# Altium PCB XuperMousePCB.PcbDoc (part 1 of 3) (continued)
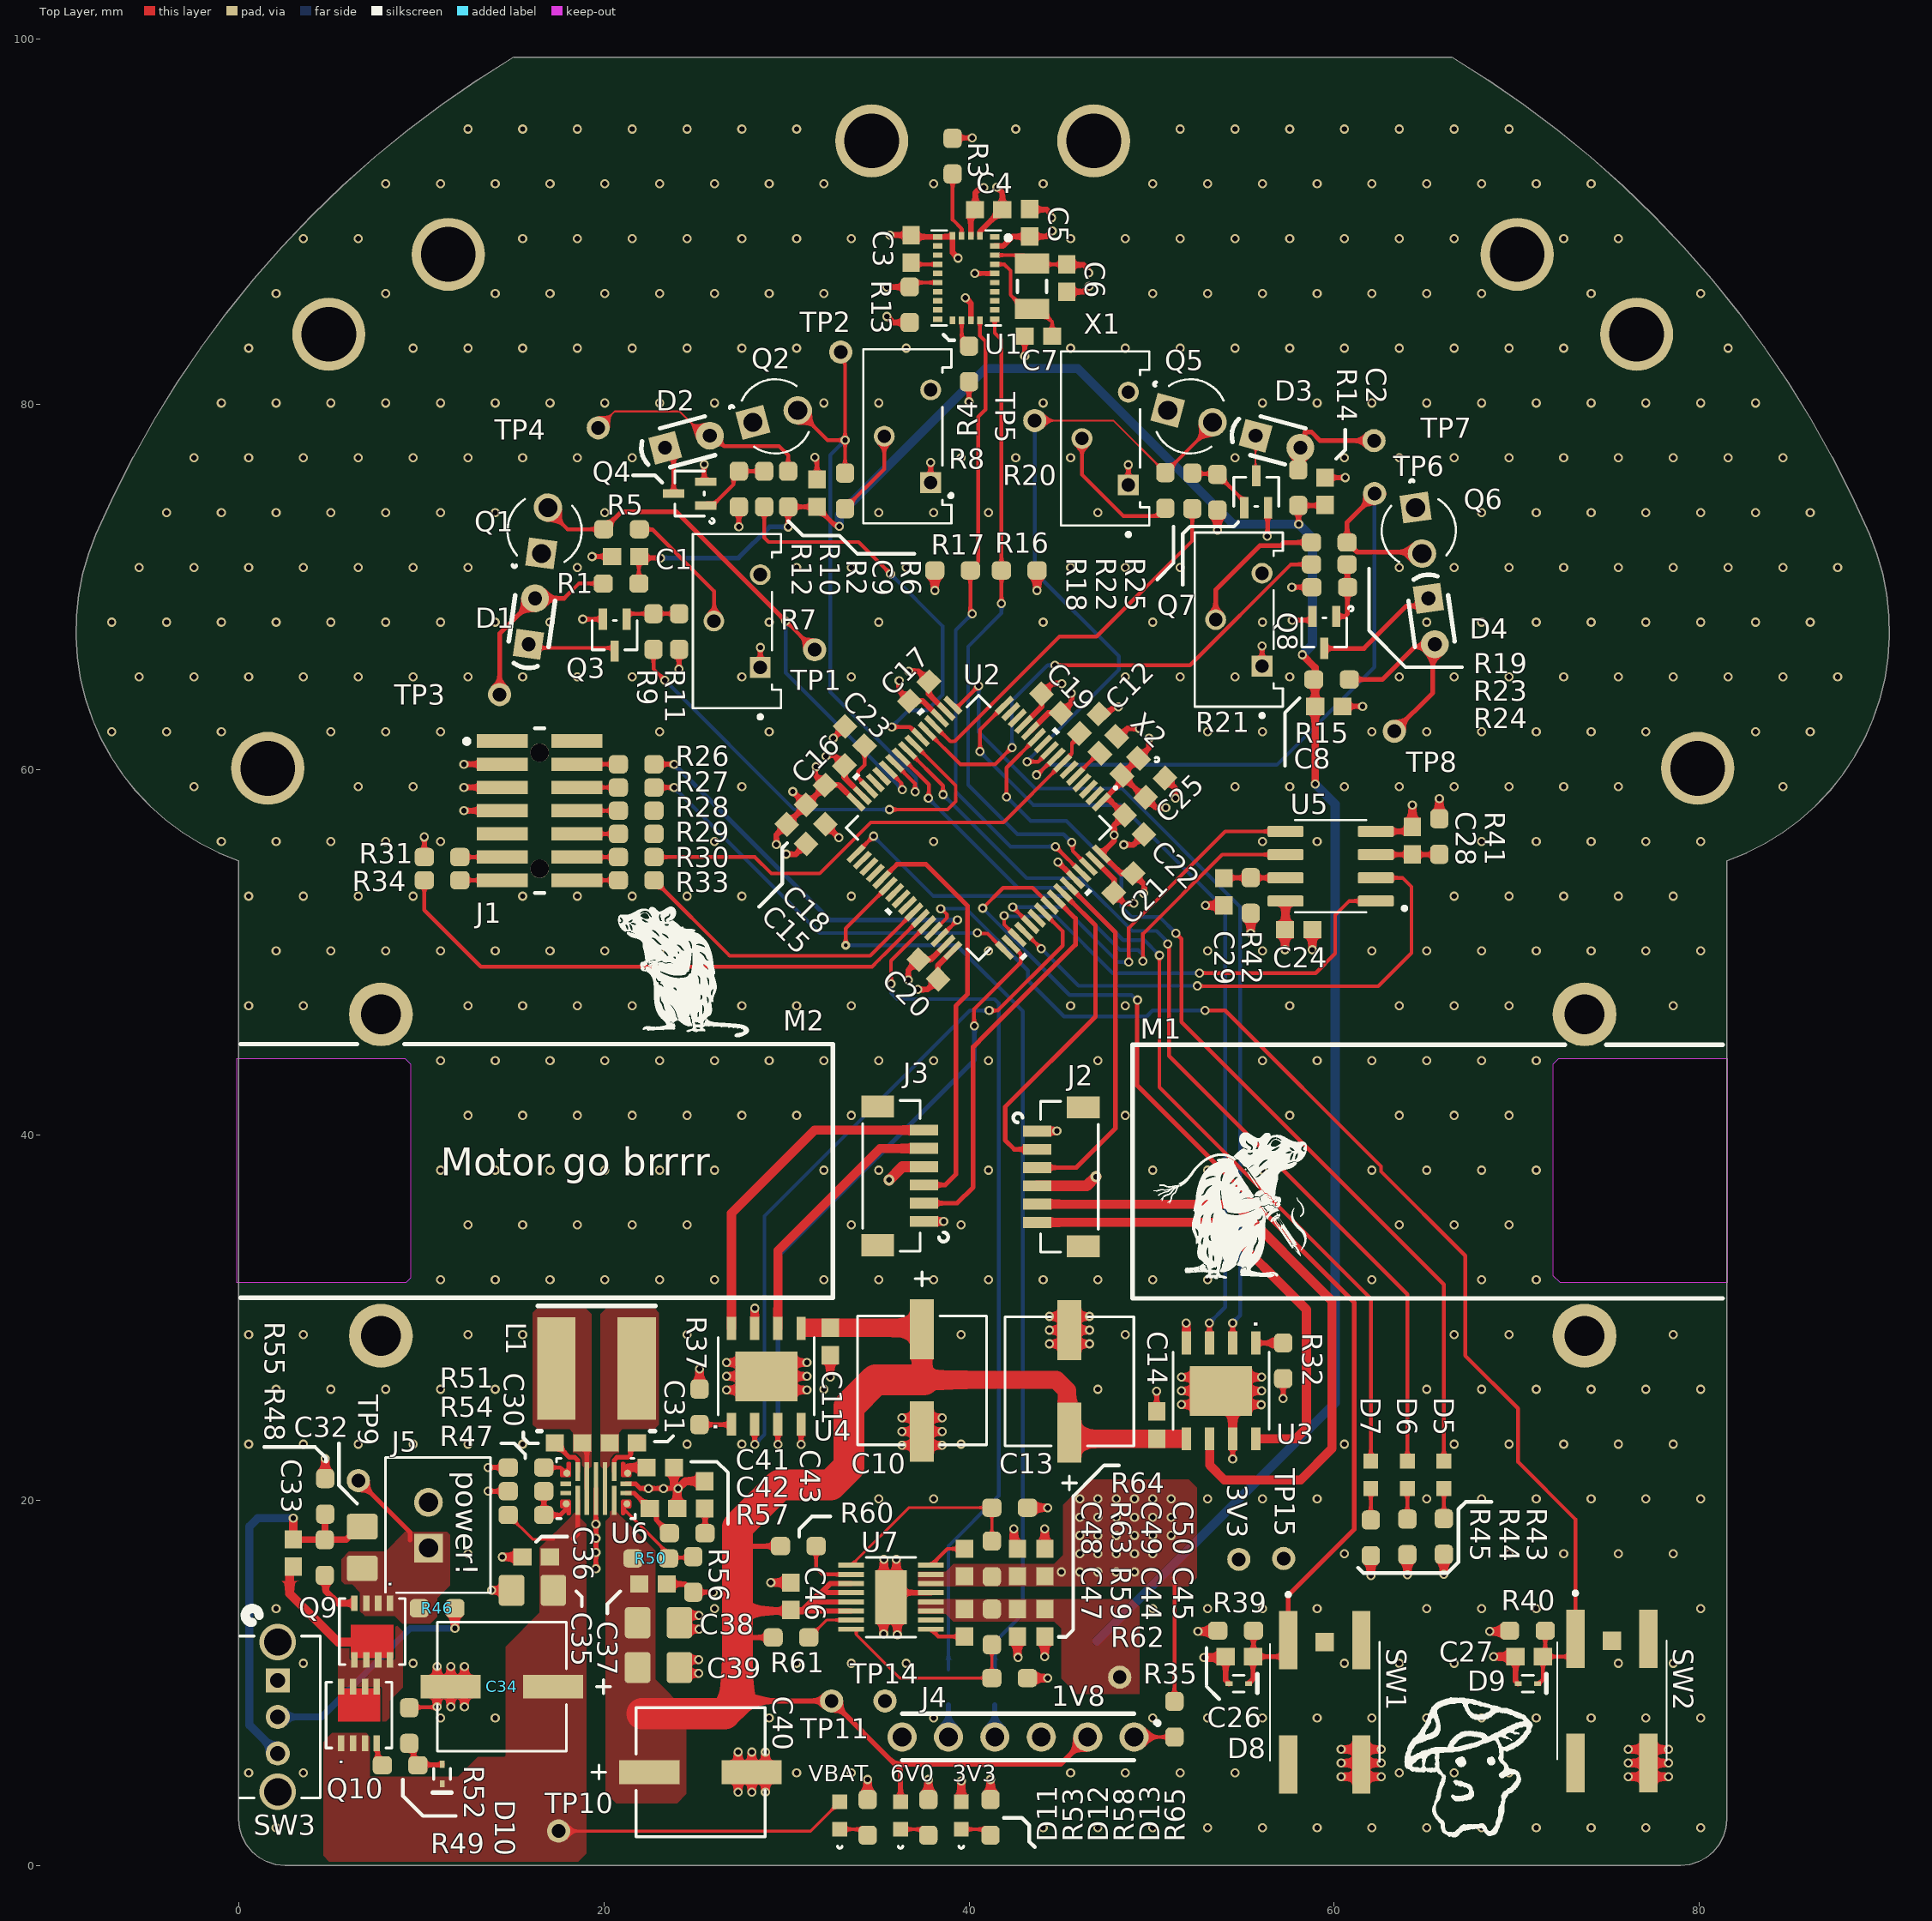
[diagram p0: Top Layer view]
## Part data (continued)
C42: library part CAP, "Ceramic Capacitor, Multilayer, Ceramic, 250V, 5% +Tol, 5% -Tol, C0G, 30ppm/Cel TC, 5.6e-05uF, Surface Mount, 0603", Case/Package=0603, Dielectric Material=Ceramic, Manufacturer=Knowles, Manufacturer Part Number=QSCP251Q560J1GV001T, Max Operating Temperature=125°C, Min Operating Temperature=-55°C, Supplier Part Number 1=712-QSCP251Q560J1GV001TCT-ND, Voltage Rating (DC)=250V, Category="Ceramic Capacitors", ComponentLink1Description=https://datasheet.octopart.com:443/QSCP251Q560J1GV001T-Johanson-datasheet-187816102.pdf?src-supplier=IHS, ComponentLink1URL=https://datasheet.octopart.com:443/QSCP251Q560J1GV001T-Johanson-datasheet-187816102.pdf?src-supplier=IHS, Country of Origin=USA, Export Control Classification Number (ECCN) Code=EAR99, Harmonized Tariff Schedule (HTS) Code=8532.24.00.20, Height=760µm, Introduction Date=2022-02-04, Length=1.57mm, Lifecycle Status=Production, Mounting Technology="Surface Mount", Number of Terminals=2, Pricing="1=0.28, 10=0.162, 50=0.1176, 100=0.1038, 500=0.08066, 1000=0.07352 (USD)", REACH SVHC=Yes, RoHS=Compliant, Stock=30631, Supplier 1=DigiKey, Width=810µm
C43: library part CAP, "0603 C 15NF Ceramic Multilayer Capacitor, 25 V, +125DEGC, C0G Dielectric, +/-5%", Case Code (Imperial)=0603, Case Code (Metric)=1608, Dielectric=C0G, Dielectric Material=Ceramic, Manufacturer="Yageo Group", Manufacturer Part Number=C0603C153J3GACTU, Max Operating Temperature=125°C, Min Operating Temperature=-55°C, Temperature Coefficient=30ppm/°C, Tolerance=5%, Voltage=25V, Case/Package=0603, Category="Ceramic Capacitors", China RoHS=Compliant, ComponentLink1Description=https://datasheet.octopart.com:443/C0603C153J3GACTU-KEMET-datasheet-178132257.pdf?src-supplier=IHS, ComponentLink1URL=https://datasheet.octopart.com:443/C0603C153J3GACTU-KEMET-datasheet-178132257.pdf?src-supplier=IHS, ComponentLink2Description=https://datasheet.octopart.com:443/C0603C153J3GAC7867-KEMET-datasheet-10540709.pdf?src-supplier=IHS, ComponentLink2URL=https://datasheet.octopart.com:443/C0603C153J3GAC7867-KEMET-datasheet-10540709.pdf?src-supplier=IHS, ComponentLink3Description=https://datasheet.octopart.com:443/C0603C153J3GACTU-KEMET-datasheet-137357764.pdf?src-supplier=Upverter, ComponentLink3URL=https://datasheet.octopart.com:443/C0603C153J3GACTU-KEMET-datasheet-137357764.pdf?src-supplier=Upverter, ComponentLink4Description=https://datasheet.octopart.com:443/C0603C153J3GACTU-KEMET-datasheet-68331921.pdf?src-supplier=Farnell, ComponentLink4URL=https://datasheet.octopart.com:443/C0603C153J3GACTU-KEMET-datasheet-68331921.pdf?src-supplier=Farnell, ComponentLink5Description=https://datasheet.octopart.com:443/C0603C153J3GACTU-KEMET-datasheet-102648314.pdf?src-supplier=Farnell, ComponentLink5URL=https://datasheet.octopart.com:443/C0603C153J3GACTU-KEMET-datasheet-102648314.pdf?src-supplier=Farnell, ComponentLink6Description=https://datasheet.octopart.com:443/C0603C153J3GACTU-Kemet-datasheet-5308203.pdf?src-supplier=Farnell, ComponentLink6URL=https://datasheet.octopart.com:443/C0603C153J3GACTU-Kemet-datasheet-5308203.pdf?src-supplier=Farnell, ComponentLink7Description=https://datasheet.octopart.com:443/C0603C153J3GACTU-KEMET-datasheet-176289261.pdf?src-supplier=element14+APAC, ComponentLink7URL=https://datasheet.octopart.com:443/C0603C153J3GACTU-KEMET-datasheet-176289261.pdf?src-supplier=element14+APAC, ComponentLink8Description=https://datasheet.octopart.com:443/C0603C153J3GACTU-KEMET-datasheet-178087916.pdf?src-supplier=element14+APAC, ComponentLink8URL=https://datasheet.octopart.com:443/C0603C153J3GACTU-KEMET-datasheet-178087916.pdf?src-supplier=element14+APAC, ComponentLink9Description=https://datasheet.octopart.com:443/C0603C153J3GACTU-Kemet-datasheet-66093294.pdf?src-supplier=element14+APAC, ComponentLink9URL=https://datasheet.octopart.com:443/C0603C153J3GACTU-Kemet-datasheet-66093294.pdf?src-supplier=element14+APAC, ComponentLink10Description=https://datasheet.octopart.com:443/C0603C153J3GACTU-Kemet-datasheet-66634713.pdf?src-supplier=element14+APAC, ComponentLink10URL=https://datasheet.octopart.com:443/C0603C153J3GACTU-Kemet-datasheet-66634713.pdf?src-supplier=element14+APAC, ComponentLink11Description=https://datasheet.octopart.com:443/C0603C153J3GACTU-KEMET-datasheet-157246123.pdf?src-supplier=Electro+Sonic, ComponentLink11URL=https://datasheet.octopart.com:443/C0603C153J3GACTU-KEMET-datasheet-157246123.pdf?src-supplier=Electro+Sonic, ComponentLink12Description=https://datasheet.octopart.com:443/C0603C153J3GAC7867-KEMET-datasheet-188512010.pdf?src-supplier=ODG+(Origin+Data+Global), ComponentLink12URL=https://datasheet.octopart.com:443/C0603C153J3GAC7867-KEMET-datasheet-188512010.pdf?src-supplier=ODG+(Origin+Data+Global), ComponentLink13Description=https://datasheet.octopart.com:443/C0603C153J3GACTU-KEMET-datasheet-176142193.pdf?src-supplier=Newark, ComponentLink13URL=https://datasheet.octopart.com:443/C0603C153J3GACTU-KEMET-datasheet-176142193.pdf?src-supplier=Newark, ComponentLink14Description=https://datasheet.octopart.com:443/C0603C153J3GACTU-KEMET-datasheet-101575703.pdf?src-supplier=Newark, ComponentLink14URL=https://datasheet.octopart.com:443/C0603C153J3GACTU-KEMET-datasheet-101575703.pdf?src-supplier=Newark, ComponentLink15Description=https://datasheet.octopart.com:443/C0603C153J3GACTU-Kemet-datasheet-62307647.pdf?src-supplier=Newark, ComponentLink15URL=https://datasheet.octopart.com:443/C0603C153J3GACTU-Kemet-datasheet-62307647.pdf?src-supplier=Newark, ComponentLink16Description=https://datasheet.octopart.com:443/C0603C153J3GACTU-KEMET-datasheet-193515620.pdf?src-supplier=Newark, ComponentLink16URL=https://datasheet.octopart.com:443/C0603C153J3GACTU-KEMET-datasheet-193515620.pdf?src-supplier=Newark, ComponentLink17Description=https://datasheet.octopart.com:443/C0603C153J3GACTU-Kemet-datasheet-67830794.pdf?src-supplier=TME, ComponentLink17URL=https://datasheet.octopart.com:443/C0603C153J3GACTU-Kemet-datasheet-67830794.pdf?src-supplier=TME, ComponentLink18Description=https://datasheet.octopart.com/C0603C153J3GACTU-KEMET-datasheet-84169754.pdf, ComponentLink18URL=https://datasheet.octopart.com/C0603C153J3GACTU-KEMET-datasheet-84169754.pdf, ComponentLink19Description=https://datasheet.octopart.com:443/C0603C153J3GACTU-Kemet-datasheet-60243840.pdf?src-supplier=RS+(Formerly+Allied+Electronics), ComponentLink19URL=https://datasheet.octopart.com:443/C0603C153J3GACTU-Kemet-datasheet-60243840.pdf?src-supplier=RS+(Formerly+Allied+Electronics), ComponentLink20Description=http://sigma.octopart.com:80/conflict_mineral_statement/Yageo-company-3.pdf?src-supplier=Compliance+Statements, ComponentLink20URL=http://sigma.octopart.com:80/conflict_mineral_statement/Yageo-company-3.pdf?src-supplier=Compliance+Statements, ComponentLink21Description=http://sigma.octopart.com:80/rohs_statement/Yageo-company-2.pdf?src-supplier=Compliance+Statements, ComponentLink21URL=http://sigma.octopart.com:80/rohs_statement/Yageo-company-2.pdf?src-supplier=Compliance+Statements, Contact Plating=Tin, Country of Origin=Mexico, Depth=800µm, Dissipation Factor=0.1%, Export Control Classification Number (ECCN) Code=EAR99, Harmonized Tariff Schedule (HTS) Code=8532.24.00.20, Height=800µm, Introduction Date=2008-06-06, Lead Free="Lead Free", Length=1.6mm, Lifecycle Status=Production, Material=Ceramic, Mounting Technology="Surface Mount", Number of Terminals=2, Packaging="Cut Tape", Pins=2, Pricing="4000=0.087, 8000=0.084 (USD)", REACH SVHC=Yes, RoHS=Compliant, Schedule B="8532240020, 8532240020|8532240020, 8532240020|8532240020|8532240020, 8532240020|8532240020|8532240020|8532240020", Stock=31000, Supplier 1=Newark, Supplier Part Number 1=C0603C153J3GACTU, Termination=SMD/SMT, Thickness=863.6µm, Voltage Rating=25V, Voltage Rating (DC)=25V, Width=800µm
C47 C48: library part CAP, "Multilayer Ceramic Capacitors Mlcc - Smd/Smt 50V 0.01Uf X7R 0603 10%", Case Code (Imperial)=0603, Dielectric=X7R, Dielectric Material=Ceramic, Manufacturer="Yageo Group", Manufacturer Part Number=C0603C103K5RACTU, Max Operating Temperature=125°C, Min Operating Temperature=-55°C, Temperature Coefficient=30ppm/°C, Tolerance=10%, Voltage=50V, Case/Package=0603, Category="Ceramic Capacitors", China RoHS=Compliant, ComponentLink1Description=https://datasheet.octopart.com:443/C0603C103K5RACTU-KEMET-datasheet-178445679.pdf?src-supplier=Farnell, ComponentLink1URL=https://datasheet.octopart.com:443/C0603C103K5RACTU-KEMET-datasheet-178445679.pdf?src-supplier=Farnell, ComponentLink2Description=https://datasheet.octopart.com:443/C0603C103K5RACTU-KEMET-datasheet-137357759.pdf?src-supplier=Farnell, ComponentLink2URL=https://datasheet.octopart.com:443/C0603C103K5RACTU-KEMET-datasheet-137357759.pdf?src-supplier=Farnell, ComponentLink3Description=https://datasheet.octopart.com:443/C0603C103K5RACTU-KEMET-datasheet-149521831.pdf?src-supplier=Farnell, ComponentLink3URL=https://datasheet.octopart.com:443/C0603C103K5RACTU-KEMET-datasheet-149521831.pdf?src-supplier=Farnell, ComponentLink4Description=https://datasheet.octopart.com:443/C0603C103K5RAC-TU-Kemet-datasheet-12608295.pdf?src-supplier=Farnell, ComponentLink4URL=https://datasheet.octopart.com:443/C0603C103K5RAC-TU-Kemet-datasheet-12608295.pdf?src-supplier=Farnell, ComponentLink5Description=https://datasheet.octopart.com:443/C0603C103K5RAC-TU-Kemet-datasheet-11992184.pdf?src-supplier=Farnell, ComponentLink5URL=https://datasheet.octopart.com:443/C0603C103K5RAC-TU-Kemet-datasheet-11992184.pdf?src-supplier=Farnell, ComponentLink6Description=https://datasheet.octopart.com:443/C0603C103K5RAC-TU-Kemet-datasheet-10942409.pdf?src-supplier=Farnell, ComponentLink6URL=https://datasheet.octopart.com:443/C0603C103K5RAC-TU-Kemet-datasheet-10942409.pdf?src-supplier=Farnell, ComponentLink7Description=https://datasheet.octopart.com:443/C0603C103K5RAC-TU-Kemet-datasheet-10404442.pdf?src-supplier=Farnell, ComponentLink7URL=https://datasheet.octopart.com:443/C0603C103K5RAC-TU-Kemet-datasheet-10404442.pdf?src-supplier=Farnell, ComponentLink8Description=https://datasheet.octopart.com:443/C0603C103K5RACTU-KEMET-datasheet-101575646.pdf?src-supplier=Farnell, ComponentLink8URL=https://datasheet.octopart.com:443/C0603C103K5RACTU-KEMET-datasheet-101575646.pdf?src-supplier=Farnell, ComponentLink9Description=https://datasheet.octopart.com:443/C0603C103K5RACTU.-Kemet-datasheet-41232427.pdf?src-supplier=Farnell, ComponentLink9URL=https://datasheet.octopart.com:443/C0603C103K5RACTU.-Kemet-datasheet-41232427.pdf?src-supplier=Farnell, ComponentLink10Description=https://datasheet.octopart.com:443/C0603C103K5RACTU-KEMET-datasheet-176142155.pdf?src-supplier=Farnell, ComponentLink10URL=https://datasheet.octopart.com:443/C0603C103K5RACTU-KEMET-datasheet-176142155.pdf?src-supplier=Farnell, ComponentLink11Description=https://datasheet.octopart.com:443/C0603C103K5RAC-TU-Kemet-datasheet-7833651.pdf?src-supplier=Farnell, ComponentLink11URL=https://datasheet.octopart.com:443/C0603C103K5RAC-TU-Kemet-datasheet-7833651.pdf?src-supplier=Farnell, ComponentLink12Description=https://datasheet.octopart.com:443/C0603C103K5RAC-TU-Kemet-datasheet-7601896.pdf?src-supplier=Farnell, ComponentLink12URL=https://datasheet.octopart.com:443/C0603C103K5RAC-TU-Kemet-datasheet-7601896.pdf?src-supplier=Farnell, ComponentLink13Description=https://datasheet.octopart.com:443/C0603C103K5RAC-TU-Kemet-datasheet-5316294.pdf?src-supplier=Farnell, ComponentLink13URL=https://datasheet.octopart.com:443/C0603C103K5RAC-TU-Kemet-datasheet-5316294.pdf?src-supplier=Farnell, ComponentLink14Description=https://datasheet.octopart.com:443/C0603C103K5RAC-TU-Kemet-datasheet-5314837.pdf?src-supplier=Farnell, ComponentLink14URL=https://datasheet.octopart.com:443/C0603C103K5RAC-TU-Kemet-datasheet-5314837.pdf?src-supplier=Farnell, ComponentLink15Description=https://datasheet.octopart.com:443/C0603C103K5RAC-TU-Kemet-datasheet-8092359.pdf?src-supplier=Farnell, ComponentLink15URL=https://datasheet.octopart.com:443/C0603C103K5RAC-TU-Kemet-datasheet-8092359.pdf?src-supplier=Farnell, ComponentLink16Description=https://datasheet.octopart.com:443/C0603C103K5RACTU-Kemet-datasheet-5314449.pdf?src-supplier=Farnell, ComponentLink16URL=https://datasheet.octopart.com:443/C0603C103K5RACTU-Kemet-datasheet-5314449.pdf?src-supplier=Farnell, ComponentLink17Description=https://datasheet.octopart.com:443/C0603C103K5RAC-TU-Kemet-datasheet-5390537.pdf?src-supplier=Farnell, ComponentLink17URL=https://datasheet.octopart.com:443/C0603C103K5RAC-TU-Kemet-datasheet-5390537.pdf?src-supplier=Farnell, ComponentLink18Description=https://datasheet.octopart.com:443/C0603C103K5RAC-TU-Kemet-datasheet-5314969.pdf?src-supplier=Farnell, ComponentLink18URL=https://datasheet.octopart.com:443/C0603C103K5RAC-TU-Kemet-datasheet-5314969.pdf?src-supplier=Farnell, ComponentLink19Description=https://datasheet.octopart.com:443/C0603C103K5RAC-TU-Kemet-datasheet-5314627.pdf?src-supplier=Farnell, ComponentLink19URL=https://datasheet.octopart.com:443/C0603C103K5RAC-TU-Kemet-datasheet-5314627.pdf?src-supplier=Farnell, ComponentLink20Description=https://datasheet.octopart.com:443/C0603C103K5RAC-TU-Kemet-datasheet-5389132.pdf?src-supplier=Farnell, ComponentLink20URL=https://datasheet.octopart.com:443/C0603C103K5RAC-TU-Kemet-datasheet-5389132.pdf?src-supplier=Farnell, ComponentLink21Description=https://datasheet.octopart.com:443/C0603C103K5RAC-TU-Kemet-datasheet-5313836.pdf?src-supplier=Farnell, ComponentLink21URL=https://datasheet.octopart.com:443/C0603C103K5RAC-TU-Kemet-datasheet-5313836.pdf?src-supplier=Farnell, ComponentLink22Description=https://datasheet.octopart.com:443/C0603C103K5RAC-TU-Kemet-datasheet-8111010.pdf?src-supplier=Farnell, ComponentLink22URL=https://datasheet.octopart.com:443/C0603C103K5RAC-TU-Kemet-datasheet-8111010.pdf?src-supplier=Farnell, ComponentLink23Description=https://datasheet.octopart.com:443/C0603C103K5RAC-TU-Kemet-datasheet-7541751.pdf?src-supplier=Farnell, ComponentLink23URL=https://datasheet.octopart.com:443/C0603C103K5RAC-TU-Kemet-datasheet-7541751.pdf?src-supplier=Farnell, ComponentLink24Description=https://datasheet.octopart.com:443/C0603C103K5RAC-TU-Kemet-datasheet-7627733.pdf?src-supplier=Farnell, ComponentLink24URL=https://datasheet.octopart.com:443/C0603C103K5RAC-TU-Kemet-datasheet-7627733.pdf?src-supplier=Farnell, ComponentLink25Description=https://datasheet.octopart.com:443/C0603C103K5RAC-TU-Kemet-datasheet-5315946.pdf?src-supplier=Farnell, ComponentLink25URL=https://datasheet.octopart.com:443/C0603C103K5RAC-TU-Kemet-datasheet-5315946.pdf?src-supplier=Farnell, ComponentLink26Description=https://datasheet.octopart.com:443/C0603C103K5RAC7867-KEMET-datasheet-182039592.pdf?src-supplier=IHS, ComponentLink26URL=https://datasheet.octopart.com:443/C0603C103K5RAC7867-KEMET-datasheet-182039592.pdf?src-supplier=IHS, ComponentLink27Description=https://datasheet.octopart.com:443/C0603C103K5RACTU-KEMET-datasheet-137357764.pdf?src-supplier=Upverter, ComponentLink27URL=https://datasheet.octopart.com:443/C0603C103K5RACTU-KEMET-datasheet-137357764.pdf?src-supplier=Upverter, ComponentLink28Description=https://datasheet.octopart.com:443/C0603C103K5RACTU-Kemet-datasheet-5313890.pdf?src-supplier=element14, ComponentLink28URL=https://datasheet.octopart.com:443/C0603C103K5RACTU-Kemet-datasheet-5313890.pdf?src-supplier=element14, ComponentLink29Description=https://datasheet.octopart.com:443/C0603C103K5RACTU-KEMET-datasheet-157246124.pdf?src-supplier=Electro+Sonic, ComponentLink29URL=https://datasheet.octopart.com:443/C0603C103K5RACTU-KEMET-datasheet-157246124.pdf?src-supplier=Electro+Sonic, ComponentLink30Description=https://datasheet.octopart.com:443/C0603C103K5RACTU-KEMET-datasheet-32036385.pdf?src-supplier=Electro+Sonic, ComponentLink30URL=https://datasheet.octopart.com:443/C0603C103K5RACTU-KEMET-datasheet-32036385.pdf?src-supplier=Electro+Sonic, ComponentLink31Description=https://datasheet.octopart.com:443/C0603C103K5RAC7867-KEMET-datasheet-188512054.pdf?src-supplier=ODG+(Origin+Data+Global), ComponentLink31URL=https://datasheet.octopart.com:443/C0603C103K5RAC7867-KEMET-datasheet-188512054.pdf?src-supplier=ODG+(Origin+Data+Global), ComponentLink32Description=https://datasheet.octopart.com:443/C0603C103K5RACTU-KEMET-datasheet-176142164.pdf?src-supplier=Newark, ComponentLink32URL=https://datasheet.octopart.com:443/C0603C103K5RACTU-KEMET-datasheet-176142164.pdf?src-supplier=Newark, ComponentLink33Description=https://datasheet.octopart.com:443/C0603C103K5RACTU-Kemet-datasheet-27203261.pdf?src-supplier=Newark, ComponentLink33URL=https://datasheet.octopart.com:443/C0603C103K5RACTU-Kemet-datasheet-27203261.pdf?src-supplier=Newark, ComponentLink34Description=https://datasheet.octopart.com:443/C0603C103K5RACTU-KEMET-datasheet-164512540.pdf?src-supplier=TME, ComponentLink34URL=https://datasheet.octopart.com:443/C0603C103K5RACTU-KEMET-datasheet-164512540.pdf?src-supplier=TME, ComponentLink35Description=https://datasheet.octopart.com:443/C0603C103K5RACTU-KEMET-datasheet-81639432.pdf?src-supplier=TME, ComponentLink35URL=https://datasheet.octopart.com:443/C0603C103K5RACTU-KEMET-datasheet-81639432.pdf?src-supplier=TME, ComponentLink36Description=https://datasheet.octopart.com:443/C0603C103K5RACTU-KEMET-datasheet-68331906.pdf?src-supplier=TME, ComponentLink36URL=https://datasheet.octopart.com:443/C0603C103K5RACTU-KEMET-datasheet-68331906.pdf?src-supplier=TME, ComponentLink37Description=https://datasheet.octopart.com:443/C0603C103K5RACTU-KEMET-datasheet-110724412.pdf?src-supplier=RS+(Formerly+Allied+Electronics), ComponentLink37URL=https://datasheet.octopart.com:443/C0603C103K5RACTU-KEMET-datasheet-110724412.pdf?src-supplier=RS+(Formerly+Allied+Electronics), ComponentLink38Description=https://datasheet.octopart.com:443/C0603C103K5RACTU-Kemet-datasheet-464.pdf?src-supplier=RS+(Formerly+Allied+Electronics), ComponentLink38URL=https://datasheet.octopart.com:443/C0603C103K5RACTU-Kemet-datasheet-464.pdf?src-supplier=RS+(Formerly+Allied+Electronics), ComponentLink39Description=https://datasheet.octopart.com/C0603C103K5RACTU-KEMET-datasheet-84169754.pdf, ComponentLink39URL=https://datasheet.octopart.com/C0603C103K5RACTU-KEMET-datasheet-84169754.pdf, ComponentLink40Description=https://datasheet.octopart.com:443/C0603C103K5RACTU-Kemet-datasheet-22084244.pdf?src-supplier=element14+APAC, ComponentLink40URL=https://datasheet.octopart.com:443/C0603C103K5RACTU-Kemet-datasheet-22084244.pdf?src-supplier=element14+APAC, ComponentLink41Description=https://datasheet.octopart.com:443/C0603C103K5RACTU-Kemet-datasheet-11898999.pdf?src-supplier=Arrow+Electronics, ComponentLink41URL=https://datasheet.octopart.com:443/C0603C103K5RACTU-Kemet-datasheet-11898999.pdf?src-supplier=Arrow+Electronics, ComponentLink42Description=https://datasheet.octopart.com:443/C0603C103K5RAC7867-KEMET-datasheet-164857143.pdf?src-supplier=Burklin+Elektronik, ComponentLink42URL=https://datasheet.octopart.com:443/C0603C103K5RAC7867-KEMET-datasheet-164857143.pdf?src-supplier=Burklin+Elektronik, ComponentLink43Description=http://sigma.octopart.com:80/conflict_mineral_statement/Yageo-company-3.pdf?src-supplier=Compliance+Statements, ComponentLink43URL=http://sigma.octopart.com:80/conflict_mineral_statement/Yageo-company-3.pdf?src-supplier=Compliance+Statements, ComponentLink44Description=http://sigma.octopart.com:80/rohs_statement/Yageo-company-2.pdf?src-supplier=Compliance+Statements, ComponentLink44URL=http://sigma.octopart.com:80/rohs_statement/Yageo-company-2.pdf?src-supplier=Compliance+Statements, Contact Plating=Tin, Country of Origin="Mainland China, Mexico", Depth=800µm, Dissipation Factor=2.5%, Export Control Classification Number (ECCN) Code=EAR99, Harmonized Tariff Schedule (HTS) Code=8532.24.00.20, Height=800µm, Introduction Date=2011-07-27, Lead Free="Lead Free", Lead Pitch=700µm, Length=1.6mm, Lifecycle Status=Production, Material=Ceramic, Mounting Technology="Surface Mount", Number of Terminals=2, Packaging="Cut Tape", Pins=2, Pricing="4000=0.00842, 8000=0.00823, 16000=0.00795, 32000=0.00764, 64000=0.00735 (USD)", Radiation Hardening=No, REACH SVHC=Yes, RoHS=Compliant, Schedule B="8532240020, 8532240020|8532240020, 8532240020|8532240020|8532240020, 8532240020|8532240020|8532240020|8532240020", Stock=2208000, Supplier 1=Avnet, Supplier Part Number 1=C0603C103K5RACTU, Termination=SMD/SMT, Thickness=863.6µm, Voltage Rating=50V, Voltage Rating (DC)=50V, Width=800µm
D1 D2 D3 D4: library part LED_Red, "Radial T1 3/4 Infrared LED Infrared LED, 5mm, 1-Element, 950nm", Case/Package=Radial, Forward Current=100mA, Forward Voltage=1.7V, Manufacturer=Osram, Max Operating Temperature=100°C, Max Power Dissipation=180mW, Min Operating Temperature=-40°C, Output Power=55mW, Power Dissipation=180W, Reverse Voltage=5V, Supplier Part Number 1=IR5241, Category=LEDs, China RoHS=Compliant, ComponentLink1Description=https://datasheet.octopart.com:443/Q65110A8095-Osram-Opto-datasheet-182349644.pdf?src-supplier=IHS, ComponentLink1URL=https://datasheet.octopart.com:443/Q65110A8095-Osram-Opto-datasheet-182349644.pdf?src-supplier=IHS, ComponentLink2Description=https://datasheet.octopart.com:443/SFH-4545-Osram-Opto-datasheet-142374590.pdf?src-supplier=Osram+Opto+SCT, ComponentLink2URL=https://datasheet.octopart.com:443/SFH-4545-Osram-Opto-datasheet-142374590.pdf?src-supplier=Osram+Opto+SCT, ComponentLink3Description=https://datasheet.octopart.com:443/SFH-4545-Osram-datasheet-68365660.pdf?src-supplier=TME, ComponentLink3URL=https://datasheet.octopart.com:443/SFH-4545-Osram-datasheet-68365660.pdf?src-supplier=TME, ComponentLink4Description=https://datasheet.octopart.com:443/Q65110A8095-Osram-datasheet-13703669.pdf?src-supplier=_legacy+Avnet, ComponentLink4URL=https://datasheet.octopart.com:443/Q65110A8095-Osram-datasheet-13703669.pdf?src-supplier=_legacy+Avnet, ComponentLink5Description=https://datasheet.octopart.com:443/SFH-4545-Osram-Sylvania-datasheet-17020525.pdf?src-supplier=Factory+Futures, ComponentLink5URL=https://datasheet.octopart.com:443/SFH-4545-Osram-Sylvania-datasheet-17020525.pdf?src-supplier=Factory+Futures, Contact Plating=Tin, Depth=5.7mm, Fall Time=12ns, Harmonized Tariff Schedule (HTS) Code=8541.40.20.00, Height=7.9mm, Introduction Date=2009-09-08, Length=5.5mm, Lens Style="Circular, Dome", Lifecycle Status=Production, Manufacturer Part Number="SFH 4545", Mounting Technology="Through Hole", Number of Circuits=1, Number of Elements=1, Number of LEDs=1, Orientation="Top View", Packaging="Tape & Reel", Peak Wavelength=950nm, Pins=2, Power Rating=180mW, Pricing="1000=0.2268, 2000=0.1849, 3000=0.1831, 4000=0.1814 (USD)", Radiation Hardening=No, REACH SVHC=Yes, Reverse Voltage (DC)=5V, Rise Time=12ns, RoHS=Compliant, Schedule B="8541402000, 8541402000|8541402000|8541402000|8541402000|8541402000", Shape=Round, Stock=100000, Supplier 1=Rutronik, Test Current=100mA, Touchscreen="Infrared (IR)", Viewing Angle=10°, Width=5.5mm
D5: "White 1.6 x 0.8 x 0.55 mm 130° Tinted Yellow 180 mcd 3 V LED SMT", Case/Package=0603, Color=White, Forward Current=20mA, Forward Voltage=3.15V, Lens Color=Yellow, Manufacturer="Diodes Inc.", Manufacturer Package Identifier=LTW-C191DS5, Max Operating Temperature=85°C, Min Operating Temperature=-30°C, Power Dissipation=72mW, Reverse Voltage=5V, Test Current=5mA, Category=LEDs, China RoHS=Compliant, ComponentLink1Description=https://sigma.octopart.com:443/141906765/technical_drawing/Lite-On-LTW-C191DS5.pdf?src-supplier=IHS, ComponentLink1URL=https://sigma.octopart.com:443/141906765/technical_drawing/Lite-On-LTW-C191DS5.pdf?src-supplier=IHS, ComponentLink2Description=https://datasheet.octopart.com:443/LTW-C191DS5-Lite-On-datasheet-138896769.pdf?src-supplier=Upverter, ComponentLink2URL=https://datasheet.octopart.com:443/LTW-C191DS5-Lite-On-datasheet-138896769.pdf?src-supplier=Upverter, ComponentLink3Description=https://datasheet.octopart.com:443/LTW-C191DS5-Lite-On-datasheet-26684820.pdf?src-supplier=TME, ComponentLink3URL=https://datasheet.octopart.com:443/LTW-C191DS5-Lite-On-datasheet-26684820.pdf?src-supplier=TME, ComponentLink4Description=https://datasheet.octopart.com:443/LTW-C191DS5-Lite-On-datasheet-165573808.pdf?src-supplier=TME, ComponentLink4URL=https://datasheet.octopart.com:443/LTW-C191DS5-Lite-On-datasheet-165573808.pdf?src-supplier=TME, ComponentLink5Description=https://datasheet.octopart.com:443/LTW-C191DS5-Lite-On-datasheet-86397359.pdf?src-supplier=ODG+(Origin+Data+Global), ComponentLink5URL=https://datasheet.octopart.com:443/LTW-C191DS5-Lite-On-datasheet-86397359.pdf?src-supplier=ODG+(Origin+Data+Global), ComponentLink6Description=https://datasheet.octopart.com:443/LTW-C191DS5-Lite-On-datasheet-13698150.pdf?src-supplier=_legacy+Avnet, ComponentLink6URL=https://datasheet.octopart.com:443/LTW-C191DS5-Lite-On-datasheet-13698150.pdf?src-supplier=_legacy+Avnet, ComponentLink7Description=https://datasheet.octopart.com:443/LTW-C191DS5-Lite-On-datasheet-12531532.pdf?src-supplier=Future+Electronics, ComponentLink7URL=https://datasheet.octopart.com:443/LTW-C191DS5-Lite-On-datasheet-12531532.pdf?src-supplier=Future+Electronics, Depth=800µm, Harmonized Tariff Schedule (HTS) Code=8541.40.20.00, Height=550µm, Illumination Color=White, Introduction Date=2006-05-17, Lead Free="Lead Free", Length=1.6mm, Lens Style="Colored, Rectangular, Tinted", Lifecycle Status=Production, Luminous Intensity=125.5mcd, Manufacturer Part Number=LTW-C191DS5, Mounting Technology="Surface Mount", Number of Circuits=1, Number of Elements=1, Number of LEDs=1, Number of Terminals=2, Pins=2, Pricing="5000=0.10228, 10000=0.09997, 20000=0.09766, 40000=0.09536, 80000=0.09305 (USD)", Radiation Hardening=No, REACH SVHC=Yes, RoHS=Compliant, Shape=Rectangular, Stock=35000, Supplier 1=Avnet, Supplier Part Number 1=LTW-C191DS5, Terminal Pitch=1.5mm, Viewing Angle=130°, Width=800µm
D6: "LED blue 0603 wavelength 465~475nm light intensity 15mcd Front Mounting", Case Code (Imperial)=0603, Case Code (Metric)=1608, Color=Blue, Forward Current=20mA, Forward Voltage=2.8V, Lens Color="Clear, Colorless", Manufacturer="Diodes Inc.", Manufacturer Part Number=LTST-C193TBKT-5A, Max Operating Temperature=80°C, Min Operating Temperature=-20°C, Power Dissipation=76mW, Reverse Voltage=5V, Test Current=5mA, Case/Package=0603, Category=LEDs, China RoHS=Compliant, ComponentLink1Description=https://datasheet.octopart.com:443/LTST-C193TBKT-5A-Lite-On-datasheet-26684754.pdf?src-supplier=IHS, ComponentLink1URL=https://datasheet.octopart.com:443/LTST-C193TBKT-5A-Lite-On-datasheet-26684754.pdf?src-supplier=IHS, ComponentLink2Description=https://datasheet.octopart.com:443/LTST-C193TBKT-5A-Lite-On-datasheet-12541985.pdf?src-supplier=Upverter, ComponentLink2URL=https://datasheet.octopart.com:443/LTST-C193TBKT-5A-Lite-On-datasheet-12541985.pdf?src-supplier=Upverter, ComponentLink3Description=https://datasheet.octopart.com:443/LTST-C193TBKT-5A-Lite-On-datasheet-165573808.pdf?src-supplier=TME, ComponentLink3URL=https://datasheet.octopart.com:443/LTST-C193TBKT-5A-Lite-On-datasheet-165573808.pdf?src-supplier=TME, ComponentLink4Description=https://datasheet.octopart.com:443/LTST-C193TBKT-5A-Lite-On-datasheet-14174967.pdf?src-supplier=iiiC, ComponentLink4URL=https://datasheet.octopart.com:443/LTST-C193TBKT-5A-Lite-On-datasheet-14174967.pdf?src-supplier=iiiC, Contact Plating=Tin, Depth=800µm, Dominant Wavelength=475nm, Height=350µm, Illumination Color=Blue, Lead Free="Lead Free", Length=1.6mm, Lens Style="Clear, Colorless, Diffused, Rectangular", Lens Transparency=Clear, Lifecycle Status=Production, Luminous Intensity=15mcd, Mounting Technology="Surface Mount", Number of Circuits=1, Number of Elements=1, Number of LEDs=1, Number of Terminals=2, Peak Wavelength=468nm, Pins=2, Pricing="5000=0.04509, 10000=0.04407, 20000=0.04305, 40000=0.04204, 80000=0.04102 (USD)", Radiation Hardening=No, REACH SVHC=Yes, RoHS=Compliant, Schedule B="8541402000, 8541402000|8541402000|8541402000|8541402000|8541402000", Shape=Rectangular, Stock=200000, Supplier 1=Avnet, Supplier Part Number 1=LTST-C193TBKT-5A, Terminal Pitch=1.5mm, Viewing Angle=130°, Wavelength=470nm, Width=800µm
D7: "Single-color LEDs; LITEON; LTST-C193KRKT-5A; Red; 130 °; 2.3 V; 0603", Case Code (Imperial)=0603, Case Code (Metric)=1608, Color=Red, Forward Current=20mA, Forward Voltage=2.3V, Lens Color="Clear, Colorless", Manufacturer="Diodes Inc.", Manufacturer Part Number=LTST-C193KRKT-5A, Max Operating Temperature=85°C, Min Operating Temperature=-30°C, Power Dissipation=50mW, Reverse Voltage=5V, Test Current=5mA, Case/Package=0603, Category=LEDs, China RoHS=Compliant, ComponentLink1Description=https://datasheet.octopart.com:443/LTST-C193KRKT-5A-Lite-On-datasheet-141422095.pdf?src-supplier=ODG+(Origin+Data+Global), ComponentLink1URL=https://datasheet.octopart.com:443/LTST-C193KRKT-5A-Lite-On-datasheet-141422095.pdf?src-supplier=ODG+(Origin+Data+Global), ComponentLink2Description=https://datasheet.octopart.com:443/LTST-C193KRKT-5A-Lite-On-datasheet-86397331.pdf?src-supplier=Upverter, ComponentLink2URL=https://datasheet.octopart.com:443/LTST-C193KRKT-5A-Lite-On-datasheet-86397331.pdf?src-supplier=Upverter, ComponentLink3Description=https://datasheet.octopart.com:443/LTST-C193KRKT-5A-Lite-On-datasheet-180605208.pdf?src-supplier=IHS, ComponentLink3URL=https://datasheet.octopart.com:443/LTST-C193KRKT-5A-Lite-On-datasheet-180605208.pdf?src-supplier=IHS, ComponentLink4Description=https://datasheet.octopart.com:443/LTST-C193KRKT-5A-Lite-On-datasheet-26684753.pdf?src-supplier=TME, ComponentLink4URL=https://datasheet.octopart.com:443/LTST-C193KRKT-5A-Lite-On-datasheet-26684753.pdf?src-supplier=TME, ComponentLink5Description=https://datasheet.octopart.com:443/LTST-C193KRKT-5A-Lite-On-datasheet-165573808.pdf?src-supplier=TME, ComponentLink5URL=https://datasheet.octopart.com:443/LTST-C193KRKT-5A-Lite-On-datasheet-165573808.pdf?src-supplier=TME, ComponentLink6Description=https://datasheet.octopart.com:443/LTST-C193KRKT-5A-Lite-On-datasheet-13688521.pdf?src-supplier=_legacy+Avnet, ComponentLink6URL=https://datasheet.octopart.com:443/LTST-C193KRKT-5A-Lite-On-datasheet-13688521.pdf?src-supplier=_legacy+Avnet, ComponentLink7Description=https://datasheet.octopart.com:443/LTST-C193KRKT-5A-Lite-On-datasheet-137080926.pdf?src-supplier=X-ON, ComponentLink7URL=https://datasheet.octopart.com:443/LTST-C193KRKT-5A-Lite-On-datasheet-137080926.pdf?src-supplier=X-ON, ComponentLink8Description=https://datasheet.octopart.com:443/LTST-C193KRKT-5A-Lite-On-datasheet-11563339.pdf?src-supplier=Arrow+Electronics, ComponentLink8URL=https://datasheet.octopart.com:443/LTST-C193KRKT-5A-Lite-On-datasheet-11563339.pdf?src-supplier=Arrow+Electronics, ComponentLink9Description=https://datasheet.octopart.com:443/LTST-C193KRKT-5A-Lite-On-datasheet-14174970.pdf?src-supplier=iiiC, ComponentLink9URL=https://datasheet.octopart.com:443/LTST-C193KRKT-5A-Lite-On-datasheet-14174970.pdf?src-supplier=iiiC, ComponentLink10Description=https://datasheet.octopart.com:443/LTST-C193KRKT-5A-Lite-On-datasheet-25360257.pdf?src-supplier=Future+Electronics, ComponentLink10URL=https://datasheet.octopart.com:443/LTST-C193KRKT-5A-Lite-On-datasheet-25360257.pdf?src-supplier=Future+Electronics, Country of Origin="Mainland China, Thailand", Depth=800µm, Dominant Wavelength=631nm, Export Control Classification Number (ECCN) Code=EAR99, Harmonized Tariff Schedule (HTS) Code=8541.40.20.00, Height=350µm, Illumination Color=Red, Introduction Date=2008-09-01, Lead Free="Lead Free", Length=1.6mm, Lens Style="Clear, Colorless, Diffused, Rectangular", Lens Transparency=Clear, Lifecycle Status=Production, Luminous Intensity=26.05mcd, Mounting Technology="Surface Mount", Number of Circuits=1, Number of Elements=1, Number of LEDs=1, Number of Terminals=2, Peak Wavelength=639nm, Pins=2, Pricing="5000=0.03977, 10000=0.03887, 20000=0.03797, 40000=0.03708, 80000=0.03618 (USD)", Radiation Hardening=No, REACH SVHC=Yes, RoHS=Compliant, Schedule B="8541402000, 8541402000|8541402000|8541402000|8541402000|8541402000", Shape=Rectangular, Stock=250000, Supplier 1=Avnet, Supplier Part Number 1=LTST-C193KRKT-5A, Terminal Pitch=1.5mm, Viewing Angle=130°, Wavelength=631nm, Width=800µm
D8 D9 D10: library part Zenner, "ESD9X5.0ST5G Series 6.2 V 65 pF TVS Diode for ESD Protection - SOD-923", Breakdown Voltage=6.2V, Case/Package=SOD-923-2, Clamping Voltage=12.3V, Forward Voltage=1.1V, Leakage Current=1µA, Manufacturer=onsemi, Manufacturer Lifecycle Status=ACTIVE, Manufacturer Part Number=ESD9X5.0ST5G, Max Junction Temperature (Tj)=150°C, Max Power Dissipation=150mW, Max Surge Current=8.7A, Min Operating Temperature=-55°C, Operating Supply Voltage=5V, Peak Pulse Power=107W, Power Line Protection=No, Test Current=1mA, Category="TVS Diodes", China RoHS=Compliant, ComponentLink1Description=https://datasheet.octopart.com:443/ESD9X5.0ST5G-ON-Semiconductor-datasheet-8330357.pdf?src-supplier=Upverter, ComponentLink1URL=https://datasheet.octopart.com:443/ESD9X5.0ST5G-ON-Semiconductor-datasheet-8330357.pdf?src-supplier=Upverter, ComponentLink2Description=https://datasheet.octopart.com:443/ESD9X5.0ST5G-onsemi-datasheet-168568609.pdf?src-supplier=Upverter, ComponentLink2URL=https://datasheet.octopart.com:443/ESD9X5.0ST5G-onsemi-datasheet-168568609.pdf?src-supplier=Upverter, ComponentLink3Description=https://datasheet.octopart.com:443/ESD9X5.0ST5G-ON-Semiconductor-datasheet-139009868.pdf?src-supplier=Electro+Sonic, ComponentLink3URL=https://datasheet.octopart.com:443/ESD9X5.0ST5G-ON-Semiconductor-datasheet-139009868.pdf?src-supplier=Electro+Sonic, ComponentLink4Description=https://datasheet.octopart.com:443/ESD9X5.0ST5G-onsemi-datasheet-180958921.pdf?src-supplier=IHS, ComponentLink4URL=https://datasheet.octopart.com:443/ESD9X5.0ST5G-onsemi-datasheet-180958921.pdf?src-supplier=IHS, ComponentLink5Description=https://datasheet.octopart.com:443/ESD9X5.0ST5G-ON-Semiconductor-datasheet-12513463.pdf?src-supplier=Newark, ComponentLink5URL=https://datasheet.octopart.com:443/ESD9X5.0ST5G-ON-Semiconductor-datasheet-12513463.pdf?src-supplier=Newark, ComponentLink6Description=https://datasheet.octopart.com:443/ESD9X5.0ST5G-onsemi-datasheet-189128587.pdf?src-supplier=Master+Electronics, ComponentLink6URL=https://datasheet.octopart.com:443/ESD9X5.0ST5G-onsemi-datasheet-189128587.pdf?src-supplier=Master+Electronics, ComponentLink7Description=https://datasheet.octopart.com:443/ESD9X5.0ST5G-onsemi-datasheet-164667579.pdf?src-supplier=Newchip+Electronics+Limited, ComponentLink7URL=https://datasheet.octopart.com:443/ESD9X5.0ST5G-onsemi-datasheet-164667579.pdf?src-supplier=Newchip+Electronics+Limited, ComponentLink8Description=https://datasheet.octopart.com:443/ESD9X5.0ST5G-ON-Semiconductor-datasheet-14047635.pdf?src-supplier=iiiC, ComponentLink8URL=https://datasheet.octopart.com:443/ESD9X5.0ST5G-ON-Semiconductor-datasheet-14047635.pdf?src-supplier=iiiC, ComponentLink9Description=http://sigma.octopart.com:80/15540786/rohs_certificate/ON-Semiconductor-ESD9X5.0ST5G.pdf?src-supplier=Compliance+Statements, ComponentLink9URL=http://sigma.octopart.com:80/15540786/rohs_certificate/ON-Semiconductor-ESD9X5.0ST5G.pdf?src-supplier=Compliance+Statements, ComponentLink10Description=http://sigma.octopart.com:80/15676178/materials_sheet/ON-Semiconductor-ESD9X5.0ST5G.csv?src-supplier=Compliance+Statements, ComponentLink10URL=http://sigma.octopart.com:80/15676178/materials_sheet/ON-Semiconductor-ESD9X5.0ST5G.csv?src-supplier=Compliance+Statements, ComponentLink11Description=http://sigma.octopart.com:80/150607609/rohs_statement/ON-Semiconductor-ESD9X5.0ST5G.pdf?src-supplier=Compliance+Statements, ComponentLink11URL=http://sigma.octopart.com:80/150607609/rohs_statement/ON-Semiconductor-ESD9X5.0ST5G.pdf?src-supplier=Compliance+Statements, ComponentLink12Description=http://sigma.octopart.com:80/reach_statement/ON-Semiconductor-company-79.pdf?src-supplier=Compliance+Statements, ComponentLink12URL=http://sigma.octopart.com:80/reach_statement/ON-Semiconductor-company-79.pdf?src-supplier=Compliance+Statements, ComponentLink13Description=https://octopart.com:443/opatz8j6/c1?t=U4xq248CjZk49aqVlr5k0EZ1S20O7hXZC5x3rHWSH-sYxZ_igJwI8JXMjxjum5nk7b2LPFvSUdjhtWeLCCyF45HKJ3gQrOw2ICCLdwIt4F_CeAv9k9h4bPg01xsOqGsl4_WPHk2-sHZisKbPVHvESszEH42MI_EGcnWZn37s8EDrb9R9sRHl5QrF73OS571ory3wTq49jEdwCvmsvOyGlnMZqdznSgUnAulqt8UeVTtCWi1h0LjaV3_jenB72zXObhJcrUkKGX87J72uvMIaqlf2gdrzqerpU4qgDLbtRMl999sH-387FE5OvjKwPt4qFBwoXQia9kWdxdoPHguyJMxxDQ6CZJ78I1Jz7wf_&src-supplier=Compliance+Statements, ComponentLink13URL=https://octopart.com:443/opatz8j6/c1?t=U4xq248CjZk49aqVlr5k0EZ1S20O7hXZC5x3rHWSH-sYxZ_igJwI8JXMjxjum5nk7b2LPFvSUdjhtWeLCCyF45HKJ3gQrOw2ICCLdwIt4F_CeAv9k9h4bPg01xsOqGsl4_WPHk2-sHZisKbPVHvESszEH42MI_EGcnWZn37s8EDrb9R9sRHl5QrF73OS571ory3wTq49jEdwCvmsvOyGlnMZqdznSgUnAulqt8UeVTtCWi1h0LjaV3_jenB72zXObhJcrUkKGX87J72uvMIaqlf2gdrzqerpU4qgDLbtRMl999sH-387FE5OvjKwPt4qFBwoXQia9kWdxdoPHguyJMxxDQ6CZJ78I1Jz7wf_&src-supplier=Compliance+Statements, ComponentLink14Description=https://octopart.com:443/opatz8j6/c1?t=3pWjA3sury-vXDZ6jn5EtAlCMoxYtX1AYxU0u-L05MRKzzY3i90hWYZqBJ7nD0FpcxQU6NVvWSfrj8spDvkDVcv6hBGs2FKejoF387FKwRHUXxrKuAp20zxQf1xviP5DOSGH0oDp6nciOnSgABqDgBRfE1IdXVb1HgMibrXHg5ILIw0i4bTNvinhI9nbqtNHG7c2z1LCxAmzkrm1UggRYQnaU9WfKM8lDyf7V15dE3D-xK99Oqq1XK1trMaZ5tCK2HDTe7-XsgP0FTthRAXuAn3xjXwE5sHZ4Tfbg-hc08R_QhUItco4PPzxqp_Ni38_sf5Aw8nlbFeh5fp6Pc1W3BfPLWy2YwzTcFmoPFUupg&src-supplier=Compliance+Statements, ComponentLink14URL=https://octopart.com:443/opatz8j6/c1?t=3pWjA3sury-vXDZ6jn5EtAlCMoxYtX1AYxU0u-L05MRKzzY3i90hWYZqBJ7nD0FpcxQU6NVvWSfrj8spDvkDVcv6hBGs2FKejoF387FKwRHUXxrKuAp20zxQf1xviP5DOSGH0oDp6nciOnSgABqDgBRfE1IdXVb1HgMibrXHg5ILIw0i4bTNvinhI9nbqtNHG7c2z1LCxAmzkrm1UggRYQnaU9WfKM8lDyf7V15dE3D-xK99Oqq1XK1trMaZ5tCK2HDTe7-XsgP0FTthRAXuAn3xjXwE5sHZ4Tfbg-hc08R_QhUItco4PPzxqp_Ni38_sf5Aw8nlbFeh5fp6Pc1W3BfPLWy2YwzTcFmoPFUupg&src-supplier=Compliance+Statements, Composition=Zener, Contact Plating=Tin, Depth=600µm, Direction=Unidirectional, Element Configuration=Single, ESD Protection=Yes, Halogen Free="Halogen Free", Height=400µm, Lead Free="Lead Free", Length=800µm, Lifecycle Status=Production, Max Breakdown Voltage=6.2V, Max Operating Temperature=150°C, Max Reverse Leakage Current=1µA, Min Breakdown Voltage=6.2V, Number of Channels=1, Number of Circuits=1, Number of Elements=1, Number of Lines=1, Number of Terminals=2, Number of Unidirectional Channels=1, Packaging="Tape and Reel", Peak Pulse Current=8.7A, Peak Reverse Current=1µA, Pins=2, Polarity=Unidirectional, Pricing="8000=0.0268, 24000=0.0262, 32000=0.0261, 80000=0.0255, 120000=0.025 (USD)", Radiation Hardening=No, REACH SVHC=Yes, Reverse Breakdown Voltage=6.2V, Reverse Standoff Voltage=5V, RoHS=Compliant, Schedule B="8536300000, 8536300000|8536300000|8536300000|8536300000|8536300000|8536300000|8536300000|8536300000|8536300000|8536300000|8536300000|8536300000|8536300000|8536300000|8536300000|8536300000|8536300000|8536300000|8536300000|8536300000|8536300000|8536300000|8536300000|85", Stock=200000, Supplier 1="Future Electronics", Supplier Part Number 1=ESD9X5.0ST5G, Termination=SMD/SMT, Width=650µm, Working Voltage=5V